# KiCad board A64-OlinuXino_Rev_H.kicad_pcb (continued)
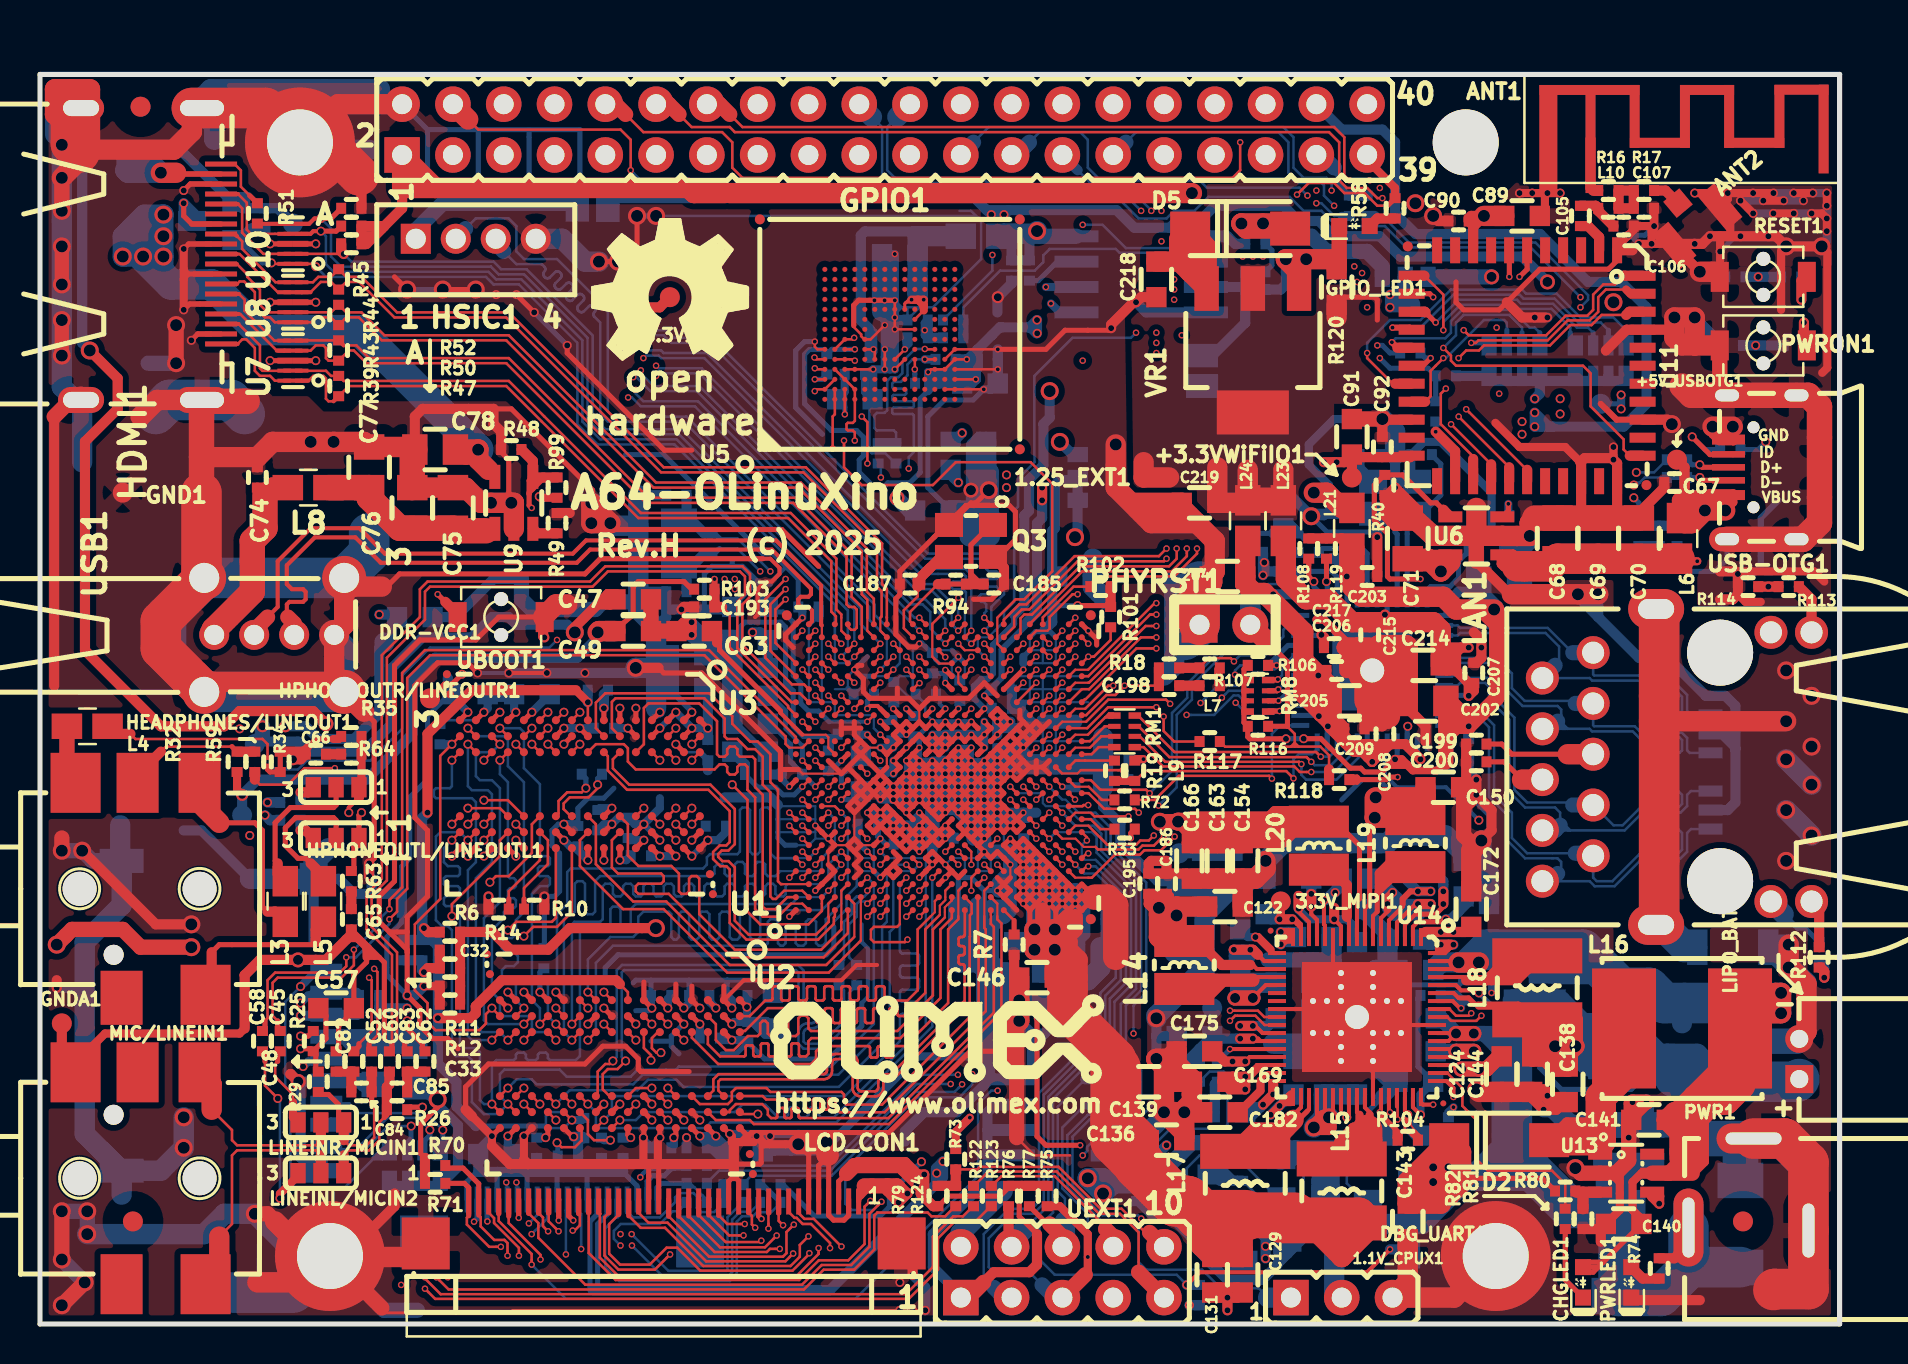
[diagram p0: board, top side]
## Routing (per net, layer and track width the routed paths; a pad name or vN(x,y) marks a point on that pad's centre or on a via; arc(x,y) is an arc through that point) (continued)
GNDA: length 120.8
  Top w0.254: v3(18.36,15.16) 18.36,14.78 19.13,14.02 19.13,13.77 C62.2 ; C57.1 15.7,15.67 14.94,14.91 14.94,13.77 C48.1 ; 13.41,28.88 13.79,29.26 14.68,29.26 ; 17.22,14.28 17.22,18.08 16.97,18.34 ; 16.97,18.34 16.71,18.34 ; 16.97,18.34 16.46,18.85 ; 16.71,18.34 16.33,18.34 16.33,18.1 15.7,17.47 15.7,16.31 ; 16.71,18.34 16.33,18.72 ; 16.46,18.85 C65.1 ; 16.46,18.85 16.33,18.85 ; U1.A11 v4(37.47,26.88) ; 15.32,19.23 15.95,19.23
  Top w0.406: 1.53,12.81 3.25,14.53 9.98,14.53 10.24,14.78 ; 15.57,19.48 15.7,19.48 16.33,18.85 16.33,18.34 ; 14.68,29.26 14.94,29.26 R35.1 ; 13.41,28.88 13.16,28.63 C66.1 ; MIC/LINEIN1.2 1.78,12.81
  Top w0.508: 10.24,14.78 10.24,17.45 11,18.21 v1(12.9,18.21) 14.3,18.21 15.57,19.48 ; GNDA1.1 1.09,13.28 MIC/LINEIN1.2 ; v5(12.65,28.25) 13.03,28.25 C66.1 13.16,28.63 R34.1 ; 32.59,34.85 32.46,34.72 31.83,34.72 ; 32.59,34.85 v3(32.59,34.47) 32.08,34.47 31.83,34.72 ; 32.59,34.85 v3(32.59,35.1) 32.21,35.1 31.83,34.72 ; C65.1 15.57,19.61 ; 30.56,34.72 30.56,34.98
  Top w0.762: 30.56,34.72 C47.1 ; C63.2 C49.2
  In2.Cu w0.254: v3(18.36,15.16) 16.33,15.16 13.79,17.7 13.41,17.7 v1(12.9,18.21)
  In2.Cu w0.508: v5(12.65,28.25) 12.39,27.99 12.39,18.72 v1(12.9,18.21)
  In4.Cu w0.508: 31.76,34.98 32.27,34.47 v3(32.59,34.47) 32.59,34.98 31.76,34.98 ; 31.76,34.98 31.13,35.61 25.48,35.61 23.19,33.33 18.87,33.33 17.98,32.44 17.98,30.9 16.34,29.26 13.69,29.26 12.68,28.25 v5(12.65,28.25)
  Bottom w0.254: 39.45,29.39 39.78,29.39 C46.2 ; 39.45,29.39 38.18,29.39 37.67,29.9 37.67,31.67 37.29,32.06 37.29,34.85 37.03,35.1 35.25,35.1 35,34.85 35,34.59 C54.1 ; 39.45,29.39 39.57,29.26 39.57,28.83 C50.1
  Bottom w0.305: C51.2 37.09,27.26 v4(37.47,26.88) ; 34.82,30.02 36.22,28.63 ; 36.14,28.63 C59.2 ; C53.2 34.75,30.02
  Bottom w0.508: 33.22,34.34 33.22,34.47 v3(32.59,35.1) v3(32.59,34.47) ; 33.22,34.34 32.59,34.98 v3(32.59,34.47) ; 33.22,34.34 R36.2 33.22,33.71 32.59,34.34 v3(32.59,34.47) ; C59.2 36.27,28.5 R27.2 37.07,27.48 C51.2
  Bottom w0.762: 33.22,34.34 34.49,34.34
  Bottom w1.016: R36.2 34.49,33.45 34.62,33.58 ; 34.62,33.58 C56.1 C55.2 C53.2 ; 34.62,33.58 C54.1
VBAT: length 28.3
  Top w0.203: v3(71.96,16.56) 71.83,16.69 71.07,16.69 70.8,16.95 U14.64
  Bottom w0.254: v3(71.96,16.56) 73.23,15.29 74.24,15.29 75.01,14.53 75.01,12.81 76.09,11.73 79.58,11.73 R78.2
  Bottom w1.016: C135.2 80.97,13.51 R78.2 81.36,13.51 82.88,13.51 83.39,13 83.39,12.37
  Bottom w1.524: R78.2 81.74,12.37
  Bottom w2.032: 81.74,12.37 83.39,12.37 83.64,12.12 C180.2 87.85,12.12 LIPO_BAT1.1
VCC-PC: length 94.7
  Top w0.127: v4(40.75,48.75) U5.C6 ; v4(44.42,47.61) 44.55,47.75 U5.M4 U5.N4 U5.P5 v4(46.35,48.25) ; U5.P3 v4(46.8,47.25)
  Top w0.254: U1.R16 v4(47.22,30.78)
  In2.Cu w0.508: 50.73,50.41 v3(49.87,49.55) ; v3(67.51,51.49) v3(67.51,50.85) 66.88,50.22 55.32,50.22 55.1,50.44 50.08,50.44 v3(49.86,50.22) 49.86,49.55
  In3.Cu w0.508: v2(50.5,46.66) 49.87,47.29 v3(49.87,49.55) 49.86,49.56 v3(49.86,50.22)
  Bottom w0.254: 44.4,46.66 44.02,46.28 44.02,42.6 43.49,42.07 42.4,42.07 42.26,41.93 41.64,41.93 40.97,42.6 40.97,43.22 41.18,43.43 41.18,44.35 40.84,44.69 39.57,44.69 38.24,46.02 38.24,48.5 38.48,48.74 39.12,48.74 R67.2 39.59,48.75 v4(40.75,48.75)
  Bottom w0.305: 48.72,35.48 48.72,35.03 47.66,33.97 47.66,32.53 47.4,32.27 ; 47.4,32.27 47.37,32.27 ; 47.4,32.27 47.07,32.27 46.7,31.9 46.7,31.3 v4(47.22,30.78) 47.25,30.8 C34.2
  Bottom w0.406: 44.62,47.39 44.62,47.41 v4(44.42,47.61) ; 44.62,47.39 46.02,47.39 46.05,47.42 ; 44.62,47.39 44.78,47.24 44.78,47.04 44.4,46.66 44.42,46.68 v4(44.42,47.61) ; 45.8,47.93 45.48,47.62 45.35,47.62 ; v4(44.42,47.61) 45.35,47.61 45.35,47.62 ; 45.35,47.62 45.98,47.62 46.05,47.55
  Bottom w0.508: 68.02,51.36 67.89,51.23 67.89,51.42 67.83,51.49 v3(67.51,51.49) v3(67.51,50.85) ; 68.02,51.36 v3(67.51,50.85) ; 68.02,51.36 68.15,51.36 VCC-PC1.1 68.4,50.85 v3(67.51,50.85) ; v4(46.8,47.25) 46.8,47.73 46.89,47.82 ; v4(46.8,47.25) 46.8,47.8 v4(46.35,48.25) ; v4(46.8,47.25) 46.59,47.04 C36.2 ; v4(46.8,47.25) 46.32,47.25 C36.2 ; 46.6,48.25 46.4,48.25 46.89,48.74 ; 46.6,48.25 C35.2 ; 46.6,48.25 v4(46.35,48.25) ; C36.2 44.78,47.04 ; C36.2 46.89,47.82 ; C36.2 46.35,47.28 v4(46.35,48.25) ; v4(46.35,48.25) 46.35,48.25 R21.2 45.8,47.04 ; v4(46.35,48.25) 46.05,47.95 46.05,47.04 ; 46.89,47.82 C35.2 ; C35.2 46.89,48.74 ; 49.61,49.85 49.59,49.84 49.48,49.84 v3(49.86,50.22) 49.86,49.55 ; 46.89,48.74 48,49.85 49.65,49.85 ; 49.84,49.55 49.54,49.85 ; v2(50.5,46.66) 50.5,45.33 50.18,45.01 50.18,42.95 49.46,42.23 49.46,40.67 49.22,40.44 49.22,35.99 48.72,35.48
  Bottom w0.762: 68.28,51.74 67.89,51.36 ; 68.28,51.74 PWR_PC1.2 ; 68.28,51.74 68.28,51.04
VCC-PE: length 93.4
  Top w0.203: v3(60.66,14.91) 60.78,14.91 61.14,14.55 U14.28
  Top w0.508: v3(60.66,14.91) v3(60.02,14.91)
  In2.Cu w0.508: 73.29,44.37 73.35,44.37 v3(74.12,45.14) v3(74.12,44.5) 73.99,44.37 73.29,44.37 ; 73.29,44.37 72.59,44.37 70.69,42.47 57.61,42.47 56.34,41.2 53.6,41.2 v2(51.76,39.36)
  In3.Cu w0.508: 73.6,44.5 74.12,45.02 v3(74.12,45.14) ; 73.6,44.5 v3(74.12,44.5) v3(74.12,45.14) ; 73.6,44.5 70.68,41.58 69.67,41.58 68.59,40.5 66.62,40.5 66.12,39.99 66.12,38.41 66.62,37.9 66.62,36.92 64.68,34.98 64.68,30.97 64.99,30.66 64.99,24.29 65.38,23.9 65.38,20.02 64.97,19.61 63.83,19.61 61.54,17.32 61.54,15.8 v3(60.66,14.91) v3(60.02,14.91) ; v3(74.12,45.14) 74.12,50.47 73.48,51.1 72.59,51.1 70.31,53.39 69.04,53.39 67.77,54.66 67.77,59.61 GPIO1.40
  Bottom w0.508: 3.3V/VCC-PE:2.8V1.1 51.89,39.68 51.76,39.55 v2(51.76,39.36) ; v3(60.02,14.91) v3(60.66,14.91) 61.42,14.91 C171.1
VCC-PL: length 105.7
  Top w0.203: 61.04,14.15 60.78,14.15 v3(60.66,14.28) 60.92,14.28 61.04,14.15 ; 61.04,14.15 U14.29
  Top w0.254: v4(42.68,30.78) U1.J16
  Top w0.508: v3(60.66,14.28) v3(60.02,14.28)
  In2.Cu w0.107: 43,33.7 43,32.4 43.53,32.4 43.65,32.53 43.65,33.71 43.65,33.7 ; 42.35,32.4 42.35,34.35
  In2.Cu w0.127: 43,33.7 43,33.83 43.13,33.96 43.4,33.96 43.65,33.71
  In2.Cu w0.254: 42.35,32.4 42.68,32.08 43,32.4 ; 43.13,33.96 43.13,34.22 42.68,34.67 42.35,34.67
  In2.Cu w0.305: 42.35,34.35 42.35,34.67
  In2.Cu w0.406: v4(42.68,30.78) 42.68,32.08
  In2.Cu w0.508: v3(76.02,45.52) v3(76.02,46.28) 75.39,46.91 74.14,46.91 72.87,45.64 72.09,45.64 70.18,43.74 56.84,43.74 55.57,42.47 50.6,42.47 49.21,43.87 45.47,43.87 43.64,42.03 43.64,40.82 42.49,39.67 42.49,34.67
  In3.Cu w0.508: v3(76.02,46.28) v3(76.02,45.52) 76.02,45.29 73.71,42.98 72.97,42.98 70.94,40.95 70.05,40.95 67.26,38.15 67.26,36.69 65.29,34.72 65.29,31.23 65.61,30.91 65.61,24.69 66.07,24.23 66.07,19.69 65.29,18.91 64.02,18.91 62.18,17.07 62.18,15.48 60.97,14.28 v3(60.66,14.28) v3(60.02,14.28)
  Bottom w0.254: C109.1 42.68,31.07 v4(42.68,30.78)
  Bottom w0.406: VCC-PL1.1 C173.1
  Bottom w0.508: 57.99,13.77 R88.2 R90.2 ; 57.99,13.77 57.35,13.13 ; 57.99,13.77 C173.1 58.75,14.28 v3(60.66,14.28)
VDDFB-CPUX: length 37.1
  Top w0.127: v3(65.35,10.34) 65.06,10.63 65.06,10.69 ; U1.T6 v4(47.88,24.28)
  Top w0.203: v3(65.35,10.34) 65.46,10.45 U14.42 ; U14.41 65.06,10.69
  Top w0.254: v4(52.02,8.94) 50.3,8.94 49.86,9.39 v4(49.86,15.29)
  In2.Cu w0.107: 48.2,24.6 48.85,24.6 ; 49.5,23.95 49.5,20.7
  In2.Cu w0.127: 48.85,24.6 49.5,23.95 ; v4(47.88,24.28) 48.2,24.6 ; 49.5,20.7 49.5,20.52 48.97,19.99 48.97,18.47 49.86,17.58 v4(49.86,15.29)
  In3.Cu w0.254: v3(65.35,10.34) 65.35,10.66 64.91,11.1 63.58,11.1 62.05,9.58 60.27,9.58 60.02,9.83 52.91,9.83 v4(52.02,8.94)
/NAND Flash , eMMC, T-Card and Audio/eMMC_CLK: length 8.8
  Top w0.127: v4(44.25,48.77) 44.27,48.75 U5.M6
  Bottom w0.127: v4(44.25,48.77) 43.76,48.77 43.13,48.14 43.13,47.56 42.92,47.36 42.55,47.36 42.37,47.17 42.37,45.7 42.24,45.57 41.85,45.57 41.73,45.45 41.73,44.82 41.86,44.69 42.7,44.69 42.81,44.58 C94.1
  Bottom w0.508: C94.1 R68.1
/NAND Flash , eMMC, T-Card and Audio/HP-DET: length 41.9
  Top w0.127: U1.D11 v4(39.43,26.88) ; v4(14.74,27.8) 13.22,27.8 12.39,26.97 11,26.97 10.74,27.23
  Top w0.508: R59.2 10.74,27.23
  In2.Cu w0.107: 38.18,30.78 38.29,30.67 38.72,30.67 39.43,29.97 v4(39.43,26.88)
  In2.Cu w0.127: 38.18,30.78 36.91,32.06 36.65,32.06 35.51,33.2 34.87,33.2 33.99,34.09 33.99,34.47 31.7,36.75 24.08,36.75 23.57,37.26 22.56,37.26 20.52,35.23 20.02,35.23 17.6,32.82 17.6,29.9 15.51,27.8 v4(14.74,27.8)
/NAND Flash , eMMC, T-Card and Audio/HPOUTFB: length 48.6
  Top w0.127: 4.52,29.52 4.78,29.26 11.12,29.26 11.38,29.01 v4(11.38,28.12) ; v4(38.78,26.22) U1.C10
  Top w0.254: v4(11.38,28.12) 11.38,27.74 11.51,27.61 R34.2
  Top w0.508: 4.52,29.52 3.76,29.52 L4.1
  In2.Cu w0.107: U1.C10 39.1,29.15
  In2.Cu w0.127: v4(38.78,26.22) U1.C10 ; v4(25.86,34.21) 26.24,33.83 28.27,33.83 28.91,34.47 30.43,34.47 32.72,32.18 35,32.18 36.14,31.04 36.69,31.04 38.05,29.67 38.58,29.67 39.1,29.15
  Bottom w0.127: v4(11.38,28.12) 11.76,27.74 12.9,27.74 13.35,28.18 16.52,28.18 18.11,29.77 18.11,32.44 19.51,33.83 25.48,33.83 v4(25.86,34.21)
/NAND Flash , eMMC, T-Card and Audio/HPOUTL: length 33.8
  Top w0.127: v4(38.78,28.83) U1.C13
  Top w0.254: R63.2 15.7,22.78 15.7,24.05 HPHONEOUTL/LINEOUTL1.1 15.95,25.45 v3(16.08,25.58)
  In2.Cu w0.203: v3(16.08,25.58) 16.2,25.58 19.25,28.63 19.25,31.93 20.78,33.45 28.78,33.45 29.29,33.96 30.3,33.96 32.46,31.8 34.75,31.8 35.89,30.66 36.65,30.66 38.18,29.13 38.47,29.13 v4(38.78,28.83)
/NAND Flash , eMMC, T-Card and Audio/HPOUTR: length 35.9
  Top w0.127: v4(38.78,28.17) U1.C12
  Top w0.203: v3(15.44,25.58) 15.44,25.83 15.95,26.34
  Top w0.406: R35.2 R64.2 16.08,26.97 HPHONEOUTR/LINEOUTR1.1
  Top w0.508: 15.95,26.34 HPHONEOUTR/LINEOUTR1.1
  In2.Cu w0.203: v3(15.44,25.58) 15.44,25.45 15.82,25.07 16.33,25.07 19.63,28.37 19.63,31.8 20.9,33.07 29.03,33.07 29.54,33.58 30.05,33.58 32.21,31.42 34.49,31.42 35.64,30.28 36.53,30.28 38.05,28.75 38.2,28.75 v4(38.78,28.17)
/NAND Flash , eMMC, T-Card and Audio/LINEINL: length 45.7
  Top w0.107: 38.12,28.83 37.47,28.83
  Top w0.127: v4(17.47,20.24) 17.86,20.62 17.86,21.26 18.36,21.77 18.36,32.31 19.51,33.45 33.22,33.45 37.29,29.39 37.29,29.01 37.47,28.83 ; v4(15.32,18.34) 15.32,17.89 15,17.58 11.76,17.58 11.38,17.2 11.38,15.29 11.25,15.16 ; U1.B14 38.12,28.83
  Top w0.254: 11.25,15.16 11.25,14.78 C58.2
  Bottom w0.127: v4(17.47,20.24) 17.47,20.01 15.8,18.34 v4(15.32,18.34)
/NAND Flash , eMMC, T-Card and Audio/LINEINR: length 44.8
  Top w0.127: v4(15.7,18.72) 15.7,17.95 15.07,17.32 11.89,17.32 11.63,17.07 11.63,15.42 11.89,15.16 ; v4(17.47,20.75) 17.47,21.21 18.11,21.84 18.11,32.56 19.25,33.71 33.46,33.71 37.8,29.36 U1.A14
  Top w0.254: 11.89,15.16 11.89,14.78 C45.2
  Bottom w0.127: v4(15.7,18.72) 17.09,20.12 17.09,20.37 v4(17.47,20.75)
/NAND Flash , eMMC, T-Card and Audio/LINEOUTL: length 42.9
  Top w0.127: U1.D16 v4(40.07,30.78)
  In2.Cu w0.107: 38.45,31.75 39.57,31.75 39.75,31.58 39.75,31.1
  In2.Cu w0.127: v4(40.07,30.78) 39.75,31.1 ; v3(11.25,25.45) 10.74,25.96 10.74,28.63 11.51,29.39 15.19,29.39 16.71,30.91 16.71,33.33 19.51,36.12 20.14,36.12 22.17,38.15 24.33,38.15 24.97,37.52 32.21,37.52 35,34.72 35,34.47 35.38,34.09 35.89,34.09 37.03,32.94 37.26,32.94 38.45,31.75
  Bottom w0.508: v3(11.25,25.45) 11.51,25.2 C87.1
/NAND Flash , eMMC, T-Card and Audio/LINEOUTR: length 41
  Top w0.127: U1.C16 v4(39.43,30.78)
  In2.Cu w0.107: 38.43,31.27 38.6,31.1 39.1,31.1 v4(39.43,30.78)
  In2.Cu w0.127: v3(11.38,26.09) 11.25,26.09 11,26.34 11,28.5 11.63,29.13 15.32,29.13 16.97,30.78 16.97,33.07 19.76,35.86 20.27,35.86 22.3,37.9 24.08,37.9 24.71,37.26 32.08,37.26 34.75,34.59 34.75,34.21 35.13,33.83 35.76,33.83 36.91,32.69 37.01,32.69 38.43,31.27
  Bottom w0.508: 11.76,26.09 v3(11.38,26.09) C86.1
/NAND Flash , eMMC, T-Card and Audio/MBIAS: length 53.5
  Top w0.127: U1.E14 v4(40.07,28.83)
  Top w0.254: v3(13.03,14.4) 13.41,14.4 R25.2
  In2.Cu w0.107: v4(40.07,28.83) 40.07,29.64 38.83,30.89 38.45,30.89 38.3,31.03
  In2.Cu w0.127: v3(13.03,14.4) 12.39,15.04 12.39,17.58 11.89,18.08 11.89,28.37 12.27,28.75 15.82,28.75 17.35,30.28 17.35,32.94 19.89,35.48 20.4,35.48 22.43,37.52 23.7,37.52 24.21,37.01 31.83,37.01 34.24,34.59 34.24,34.21 35,33.45 35.64,33.45 36.78,32.31 37.03,32.31 38.3,31.03
/NAND Flash , eMMC, T-Card and Audio/MICIN1N: length 47.5
  Top w0.127: v4(16.46,17.32) 16.59,17.2 16.59,14.66 15.95,14.02 ; U1.B16 v4(38.78,30.12)
  Top w0.254: 15.95,14.02 15.95,13.89 C82.2
  In2.Cu w0.107: 37.92,30.66 38.13,30.45 38.45,30.45 v4(38.78,30.12)
  In2.Cu w0.127: v4(16.46,17.32) 16.27,17.51 15.13,17.51 14.43,18.21 14.43,25.96 15.19,26.72 15.95,26.72 18.36,29.13 18.36,32.31 20.52,34.47 21.16,34.47 22.17,35.48 23.44,35.48 23.95,35.99 29.95,35.99 33.1,32.84 35.31,32.84 36.45,31.7 36.88,31.7 37.92,30.66
/NAND Flash , eMMC, T-Card and Audio/MICIN1P: length 46.3
  Top w0.127: 16.46,14.02 16.88,14.44 16.88,17.6 v4(16.71,17.77) ; U1.B15 v4(38.12,30.12)
  Top w0.254: 16.46,14.02 16.46,13.77 C52.2
  In2.Cu w0.127: v4(16.71,17.77) 15.25,17.77 14.71,18.31 14.71,25.83 15.32,26.44 16.08,26.44 18.64,29.01 18.64,32.18 20.65,34.19 21.28,34.19 22.3,35.2 23.57,35.2 24.08,35.71 29.82,35.71 32.97,32.56 35.18,32.56 36.32,31.42 36.78,31.42 37.91,30.29 37.96,30.29 v4(38.12,30.12)
/NAND Flash , eMMC, T-Card and Audio/MICIN2N: length 49.1
  Top w0.127: 18.24,14.02 17.86,14.4 17.86,18.59 16.59,19.86 16.59,21.43 17.35,22.19 17.35,33.33 19.25,35.23 19.25,36.63 19.51,36.88 27.64,36.88 28.4,37.64 35,37.64 35.25,37.39 35.25,36.5 34.87,36.12 34.87,33.81 37.59,31.1 U1.A17
  Top w0.254: 18.24,14.02 18.24,13.77 C83.2
/NAND Flash , eMMC, T-Card and Audio/MICIN2P: length 50.2
  Top w0.127: U1.B17 38,31.55 37.54,31.55 35.13,33.96 35.13,35.99 35.51,36.37 35.51,37.52 35.13,37.9 ; 35.13,37.9 28.27,37.9 27.51,37.13 19.38,37.13 19,36.75 19,35.36 17.09,33.45 17.09,22.28 16.33,21.51 16.33,19.74 17.6,18.47 17.6,14.02 ; 35.13,37.9 35.13,37.9
  Top w0.254: 17.6,14.02 17.6,13.77 C60.2
/NAND Flash , eMMC, T-Card and Audio/NAND0-ALE\SDC2-DS: length 23.6
  Top w0.127: U1.K18 43.96,32.06 v4(43.98,32.06)
  In3.Cu w0.107: v4(43.98,32.06) 44.32,32.39 46.06,32.39 46.25,32.57 46.25,36.62 45.99,36.88
  In3.Cu w0.127: v4(44.25,49.71) 44.78,49.17 44.78,44.04 45.31,43.51 45.31,37.56 45.99,36.88
  Bottom w0.406: 44.4,49.3 44.25,49.45 v4(44.25,49.71) 44.25,50.06 R62.1
  Bottom w0.508: R66.2 R15.2 R62.1
/NAND Flash , eMMC, T-Card and Audio/NAND0-DQ0\SDC2-D0: length 21.1
  Top w0.127: U5.A3 v4(38.75,47.25) ; v4(45.27,33.36) 44.95,33.68 U1.M21
  In3.Cu w0.107: v4(45.27,33.36) 45.27,33.12 45.17,33.02 44.98,33.02 44.89,33.11 44.89,33.63 44.72,33.79 44.72,35.78 44.55,35.95
  In3.Cu w0.127: 44.55,35.95 44.35,36.15 44.35,43.01 42.59,44.78 39.84,44.78 38.41,46.21 38.41,47.13 38.52,47.25 v4(38.75,47.25)
  Bottom w0.254: R67.1 39.11,47.25 v4(38.75,47.25)
/NAND Flash , eMMC, T-Card and Audio/NAND0-DQ1\SDC2-D1: length 21.1
  Top w0.127: U5.A4 38.8,47.75 v4(38.75,47.8) ; v4(43.97,32.72) U1.L19
  In3.Cu w0.107: 44.68,33.1 44.3,32.72 v4(43.97,32.72) ; 44.33,35.8 44.51,35.62 44.51,33.71 44.68,33.54 44.68,33.1
  In3.Cu w0.127: 44.33,35.8 44.12,36.01 44.12,42.91 42.49,44.54 39.75,44.54 38.18,46.12 38.18,47.23 v4(38.75,47.8)
/NAND Flash , eMMC, T-Card and Audio/NAND0-DQ2\SDC2-D2: length 21.1
  Top w0.127: v4(38.73,48.34) 38.82,48.25 U5.A5 ; U1.K20 v4(43.32,33.38)
  In3.Cu w0.127: v4(38.73,48.34) 37.94,47.55 37.94,45.96 40.02,43.88 40.02,43.1 40.08,43.04 40.34,43.04 40.4,43.1 40.4,43.47 40.67,43.74 41.54,43.74 41.89,43.39 42.58,43.39 42.88,43.1 42.88,42.12 43.41,41.59 43.41,33.46 v4(43.32,33.38)
/NAND Flash , eMMC, T-Card and Audio/NAND0-DQ3\SDC2-D3: length 21.1
  Top w0.127: v4(39.64,43.78) 39.64,45.39 39.75,45.5 U5.B2 ; U1.H20 v4(42.68,33.38)
  In3.Cu w0.127: v4(39.64,43.78) 39.64,42.15 39.7,42.09 39.95,42.09 40.02,42.15 40.02,42.6 40.08,42.66 40.34,42.66 40.4,42.6 40.4,42.15 40.46,42.09 41.03,42.09 41.14,42.2 ; 41.14,42.2 41.14,42.58 40.91,42.81 40.91,43.23 41.1,43.42 41.5,43.42 41.76,43.16 42.43,43.16 42.63,42.96 42.63,42.07 42.31,41.75 42.31,41.05 43.17,40.19 43.17,33.87 v4(42.68,33.38)
/NAND Flash , eMMC, T-Card and Audio/NAND0-DQ4\SDC2-D4: length 21.1
  Top w0.107: 45.93,32.08 v4(45.93,32.72)
  Top w0.127: U5.B3 39.25,46.75 38.75,46.75 38.75,46.75 v4(38.75,46.66) ; U1.P18 45.93,32.08
  In3.Cu w0.107: 45.61,33.04 45.6,33.05 45.6,33.55 45.44,33.71 45.11,33.71 44.94,33.88 44.94,35.9 44.8,36.04
  In3.Cu w0.127: v4(38.75,46.66) 38.75,46.27 40,45.01 42.68,45.01 44.59,43.1 44.59,36.25 44.8,36.04 ; v4(45.93,32.72) 45.61,33.04
/NAND Flash , eMMC, T-Card and Audio/NAND0-DQ5\SDC2-D5: length 21.1
  Top w0.127: v4(40.75,44.19) 40.75,44.6 40.65,44.69 40.4,44.69 40.34,44.76 40.34,45.01 40.4,45.07 40.65,45.07 40.75,45.17 40.75,46.75 U5.B4 ; U1.L20 v4(43.97,33.38)
  In3.Cu w0.107: 44.14,35.67 44.3,35.51 44.3,33.62 44.46,33.45 44.46,33.2 44.34,33.07 44.05,33.07 43.97,33.14 v4(43.97,33.38)
  In3.Cu w0.127: 44.14,35.67 43.89,35.92 43.89,42.82 43.52,43.18 43.29,43.18 43.13,43.35 43.13,43.55 43,43.68 41.99,43.68 41.92,43.74 41.92,43.93 41.99,43.99 42.4,43.99 42.47,44.07 42.47,44.23 42.39,44.31 41.86,44.31 41.73,44.18 41.54,44.18 41.41,44.31 41.23,44.31 41.1,44.19 v4(40.75,44.19)
/NAND Flash , eMMC, T-Card and Audio/NAND0-DQ6\SDC2-D6: length 19.6
  Top w0.127: v4(41.1,45.39) 41.38,45.11 v4(41.38,43.04) ; U5.B5 40.68,48.25 v4(40.75,48.18) ; U1.J21 v4(42.68,34.03)
  In3.Cu w0.127: v4(41.1,45.39) 41.1,45.64 41.29,45.83 41.29,46.09 41.22,46.15 40.84,46.15 40.75,46.24 40.75,46.44 40.84,46.53 41.22,46.53 41.29,46.6 41.29,46.85 41.22,46.91 40.84,46.91 40.75,47.01 40.75,47.2 40.84,47.3 41.22,47.3 41.29,47.36 41.29,47.61 41.22,47.68 40.84,47.68 40.75,47.77 40.75,48.21 ; v4(42.68,34.03) 42.94,34.29 42.94,40.1 42.08,40.95 42.08,41.84 42.4,42.16 42.4,42.77 42.25,42.91 41.86,42.91 41.8,42.85 41.57,42.85 v4(41.38,43.04)
/NAND Flash , eMMC, T-Card and Audio/NAND0-DQ7\SDC2-D7: length 21.1
  Top w0.107: 46.25,33.7 U1.R21
  Top w0.127: 46.25,33.7 v4(45.93,34.03) ; v4(40.72,49.33) 40.64,49.25 40.25,49.25 U5.B6
  In3.Cu w0.107: 45.59,34.36 45.59,35.62 44.97,36.25
  In3.Cu w0.127: v4(45.93,34.03) 45.59,34.36 ; v4(40.72,49.33) 41.1,48.94 41.1,48.41 41.39,48.12 41.89,48.12 42.14,48.37 43,48.37 43.26,48.12 43.26,44.79 44.84,43.21 44.84,36.37 44.97,36.25
/NAND Flash , eMMC, T-Card and Audio/NAND0-DQS\SDC2-RST: length 24.6
  Top w0.107: 44.62,33.38 44.62,34.67 ; 44.95,33.05 44.97,33.03 45.58,33.03 U1.N20
  Top w0.127: 44.95,33.05 44.62,33.38 ; U5.K5 43.75,47.75 v4(43.75,47.75) ; 44.62,34.67 44.62,35.02 v4(45.93,36.32)
  In3.Cu w0.127: v4(43.75,47.75) 43.51,47.51 43.51,47.25 43.59,47.17 44.34,47.17 44.4,47.1 44.4,46.88 44.34,46.82 43.61,46.82 43.51,46.72 43.51,46.47 43.57,46.41 44.34,46.41 44.4,46.34 44.4,46.09 44.34,46.02 43.57,46.02 43.51,45.96 43.51,45.71 43.57,45.64 44.34,45.64 44.4,45.58 44.4,45.33 44.34,45.26 43.57,45.26 43.51,45.2 43.51,44.95 43.57,44.88 43.93,44.88 44.08,44.73 44.08,44.31 45.08,43.31 45.08,37.08 45.21,36.94 45.54,36.94 45.61,36.88 45.61,36.69 45.54,36.63 45.22,36.63 45.16,36.56 45.16,36.39 45.22,36.32 v4(45.93,36.32)
  Bottom w0.254: v4(43.75,47.75) 43.75,47.06 43.76,47.04
/NAND Flash , eMMC, T-Card and Audio/NAND0-RB0\SDC2-CMD: length 22.8
  Top w0.127: v4(43.32,32.72) U1.K19 ; U5.M5 v4(44.25,48.25)
  In3.Cu w0.107: 43.65,33.05 43.65,35.5
  In3.Cu w0.127: 43.65,35.5 43.65,42.58 v4(43.45,42.79) ; v4(43.32,32.72) 43.65,33.05
  Bottom w0.127: v4(44.25,48.25) 43.64,48.25 43.38,47.99 43.38,47.45 43.06,47.12 42.7,47.12 42.62,47.04 42.62,46.85 42.68,46.79 43.26,46.79 43.32,46.72 43.32,46.53 43.26,46.47 42.68,46.47 42.62,46.41 42.62,46.22 42.68,46.15 43.64,46.15 43.7,46.09 43.7,45.9 43.64,45.83 42.68,45.83 42.62,45.77 42.62,45.58 42.68,45.52 43.62,45.52 43.7,45.44 43.7,43.61 43.45,43.36 v4(43.45,42.79)
  Bottom w0.406: R21.1 44.25,48.25 v4(44.25,48.25)
/NAND Flash , eMMC, T-Card and Audio/NAND0-RE\SDC2-CLK: length 13
  Top w0.127: U1.G20 v4(42.03,33.38)
  In3.Cu w0.107: 42.35,33.7 42.35,34.34
  In3.Cu w0.127: 42.35,34.34 42.68,34.68 42.68,35.04 42.49,35.23 42.11,35.23 41.99,35.36 41.99,35.61 42.11,35.74 42.56,35.74 42.68,35.86 42.68,36.12 42.56,36.25 42.11,36.25 41.99,36.37 41.99,36.63 42.11,36.75 42.51,36.75 42.68,36.93 42.68,39.99 41.85,40.83 41.85,42.13 42.05,42.34 v4(42.05,42.34) ; v4(42.03,33.38) 42.35,33.7
  Bottom w0.127: v4(42.05,42.34) 42.05,42.34 42.05,42.91 R68.2
/NAND Flash , eMMC, T-Card and Audio/SDC0-CLK: length 1.8
  Top w0.127: R33.2 53.04,24.75 52.54,25.25 U1.AC8
/NAND Flash , eMMC, T-Card and Audio/SDC0-CMD: length 62.5
  Top w0.127: U1.W9 v4(49.18,26.22)
  In2.Cu w0.107: 49.18,26.05 50.28,24.94 50.5,24.94
  In2.Cu w0.127: v4(49.18,26.22) 49.18,26.05 ; v3(13.03,15.42) 13.93,15.42 19.14,10.21 20.33,10.21 20.59,9.96 20.59,9.64 21.85,8.37 39.48,8.37 42.53,11.42 47.25,11.42 47.33,11.34 48.12,11.34 50.16,13.39 50.62,13.39 51.51,14.28 51.51,16.56 52.78,17.83 52.78,24.23 52.46,24.55 50.89,24.55 50.5,24.94
  Bottom w0.508: R31.1 15.87,15.47 13.59,15.47 13.54,15.42 v3(13.03,15.42)
/NAND Flash , eMMC, T-Card and Audio/SDC0-D0: length 60.7
  Top w0.127: U1.W13 v4(49.82,28.83)
  In2.Cu w0.107: 51.45,25.25 50.32,25.25 49.5,26.07 49.5,27.04
  In2.Cu w0.127: v4(49.82,28.83) 49.82,27.45 49.5,27.12 49.5,27.04 ; 51.45,25.25 52.09,25.25 53.03,24.31 53.03,17.7 51.76,16.43 51.76,14.15 50.75,13.13 50.24,13.13 48.21,11.1 47.23,11.1 47.15,11.18 42.63,11.18 39.58,8.14 21.71,8.14 v3(20.14,9.7)
  Bottom w0.127: v3(20.14,9.7) 19.51,10.34 19.08,10.34 18.87,10.55 15.87,10.55 15.44,10.97
  Bottom w0.254: 14.4,10.97 15.44,10.97 15.32,10.97 ; v3(20.14,9.7) 20.14,8.81 RM7.1.2
  Bottom w0.508: 14.31,11.07 14.4,10.97
/NAND Flash , eMMC, T-Card and Audio/SDC0-D1: length 58.1
  Top w0.127: U1.AB10 51.76,26.24 v4(51.76,26.23)
  In2.Cu w0.127: v3(19.5,9.71) 21.31,7.9 39.68,7.9 42.72,10.95 47.06,10.95 47.14,10.87 48.31,10.87 50.32,12.88 50.88,12.88 52.02,14.02 52.02,16.31 53.28,17.57 53.28,24.39 51.76,25.91 51.76,26.21
  Bottom w0.127: v3(19.5,9.71) 19.13,10.08 19,10.08 18.77,10.31 17.39,10.31 16.01,8.94 15.57,8.94 15.44,9.07 15.44,10.08 15.32,10.21
  Bottom w0.254: 15.32,10.21 14.55,10.21 14.31,9.97 ; v3(19.5,9.71) 19.5,9.44 19.13,9.07 RM7.2.2
/NAND Flash , eMMC, T-Card and Audio/SDC0-D2: length 82
  Top w0.107: U1.AB9 52.1,25.9
  Top w0.127: U1.AB9 51.66,25.9 51.66,25.9 52.13,25.9 52.19,25.96 v4(52.42,25.96)
  In2.Cu w0.127: v3(13.03,16.88) 12.63,16.48 12.63,15.13 12.85,14.91 14.11,14.91 19.06,9.96 19.06,9.51 20.91,7.67 39.77,7.67 42.82,10.72 46.96,10.72 47.04,10.64 48.41,10.64 50.39,12.62 51,12.62 52.27,13.89 52.27,16.18 53.52,17.42 53.52,24.49 52.42,25.58 v4(52.42,25.96)
  Bottom w0.127: 16.71,8.31 15.19,6.78 12.78,6.78 12.52,7.04 12.52,11.61 12.27,11.86 12.27,16.12 v3(13.03,16.88)
  Bottom w0.254: 16.9,8.5 16.71,8.31 17.09,8.31 RM7.4.2 ; 16.9,8.5 17.47,9.07 RM7.4.2 ; 16.9,8.5 17.28,8.5 RM7.4.2
  Bottom w0.406: 14.31,17.67 13.82,17.67 v3(13.03,16.88)
/NAND Flash , eMMC, T-Card and Audio/SDC0-D3: length 68.6
  Top w0.127: U1.AB6 v4(51.78,23.62)
  In3.Cu w0.107: 52.1,23.95 52.19,23.86 52.66,23.86 52.75,23.95
  In3.Cu w0.127: 52.75,23.95 53.65,23.95 53.92,23.67 53.92,18.53 49.1,13.7 44.94,13.7 39.04,7.8 33.99,7.8 32.84,6.66 20.84,6.66 18.98,8.52 18.98,10.33 18.78,10.53 17.98,10.53 17.86,10.4 17.86,9.96 17.73,9.83 17.47,9.83 17.35,9.96 17.35,10.4 17.22,10.53 16.97,10.53 16.86,10.42 16.86,9.94 16.74,9.83 16.46,9.83 16.33,9.96 16.33,10.4 16.2,10.53 15.86,10.53 15.74,10.4 15.74,9.93 15.63,9.83 15.25,9.83 15.15,9.93 15.15,10.38 14.98,10.55 14.22,10.55 13.79,10.97 13.79,12.95 13.41,13.34 12.89,13.34 12.52,13.7 12.52,15.55 v3(13.03,16.05) ; v4(51.78,23.62) 52.1,23.95
  Bottom w0.254: 14.31,16.57 13.67,16.57
  Bottom w0.406: 13.67,16.57 13.54,16.43 13.41,16.43 v3(13.03,16.05)
  Bottom w0.508: R30.1 15.82,16.57 14.31,16.57
/NAND Flash , eMMC, T-Card and Audio/SDC0-DET#: length 59.3
  Top w0.107: 51.78,25.58 52.55,25.58 52.63,25.49
  Top w0.127: v4(54.43,25.39) 52.73,25.39 52.59,25.53 ; U1.AB8 51.78,25.58
  In3.Cu w0.127: 54.18,24.94 54.18,24.94 ; 54.18,24.94 54.18,25.13 v4(54.43,25.39) ; 54.18,24.94 54.18,18.43 49.19,13.45 45.02,13.45 39.11,7.54 34.11,7.54 32.97,6.4 20.71,6.4 18.56,8.55 v3(18.56,9.9)
  Bottom w0.127: 15.32,8.69 16.2,8.69 17.42,9.9 v3(18.56,9.9)
  Bottom w0.254: 15.32,8.69 14.49,8.69 14.31,8.87 ; v3(18.56,9.9) 18.55,9.89 18.55,9.26 18.36,9.07 RM7.3.2
/Power Supply, Extensions and MiPi-DSI/DC5SET: length 3
  Top w0.203: v4(71.07,15.8) 71.01,15.8 70.65,16.15 U14.62
  Bottom w0.406: R84.2 71.07,16.18 v4(71.07,15.8)
  Bottom w0.508: 71.07,16.18 70.81,16.43 R92.1
/Power Supply, Extensions and MiPi-DSI/DSI-CKN: length 106.9
  Top w0.127: v4(45.92,34.67) 45.93,34.67 U1.P23
  In2.Cu w0.127: v4(30.81,47.42) 30.81,46.75 30.92,46.63 31.17,46.63 31.32,46.79 31.32,47.42 31.44,47.55 31.7,47.55 31.83,47.42 31.83,46.76 31.95,46.63 32.36,46.63 32.66,46.33 32.66,45.64 32.31,45.29 29.64,45.29 29.51,45.16 29.51,44.68 29.62,44.58 32.38,44.58 32.66,44.3 32.66,43.28 32.33,42.95 24.08,42.95 23.06,41.94 19.35,41.94 16.71,39.29 6.81,39.29 6.32,38.81 6.32,29.13 8.46,27 8.46,24.84 10.52,22.78 10.52,16.94 11.4,16.05 11.4,11.07 11.65,10.83 17.05,10.83 20.79,7.08 v4(23.32,7.08)
  Bottom w0.107: 45.6,35.65 45.59,35.64 45.59,35.01 45.6,35
  Bottom w0.127: v4(30.81,47.42) 30.94,47.55 32.97,47.55 43.76,36.75 44.53,36.75 45.6,35.68 45.6,35.65 ; MIPI-DSI1.5 23.36,7.04 v4(23.32,7.08) ; 45.6,35 45.6,34.99 v4(45.92,34.67)
/Power Supply, Extensions and MiPi-DSI/DSI-CKP: length 107
  Top w0.127: v4(45.92,35.33) 45.92,35.32 U1.N23
  In2.Cu w0.127: 29.51,45.57 32.21,45.57 32.38,45.75 32.38,46.23 32.26,46.36 30.73,46.36 30.4,46.69 30.4,47.52 v4(30.81,47.93) ; 29.51,45.57 29.54,45.57 ; 29.51,45.57 29.24,45.29 29.24,44.58 29.51,44.3 32.26,44.3 32.38,44.17 32.38,43.41 32.21,43.23 23.95,43.23 22.94,42.22 19.23,42.22 16.59,39.57 6.71,39.57 6.05,38.91 6.05,29.01 8.2,26.85 8.2,24.69 10.24,22.66 10.24,16.81 11.12,15.93 11.12,10.97 11.51,10.59 16.95,10.59 20.83,6.72 23.46,6.72 v4(23.83,7.08)